# KiCad board Nanopipets.kicad_pcb (continued)
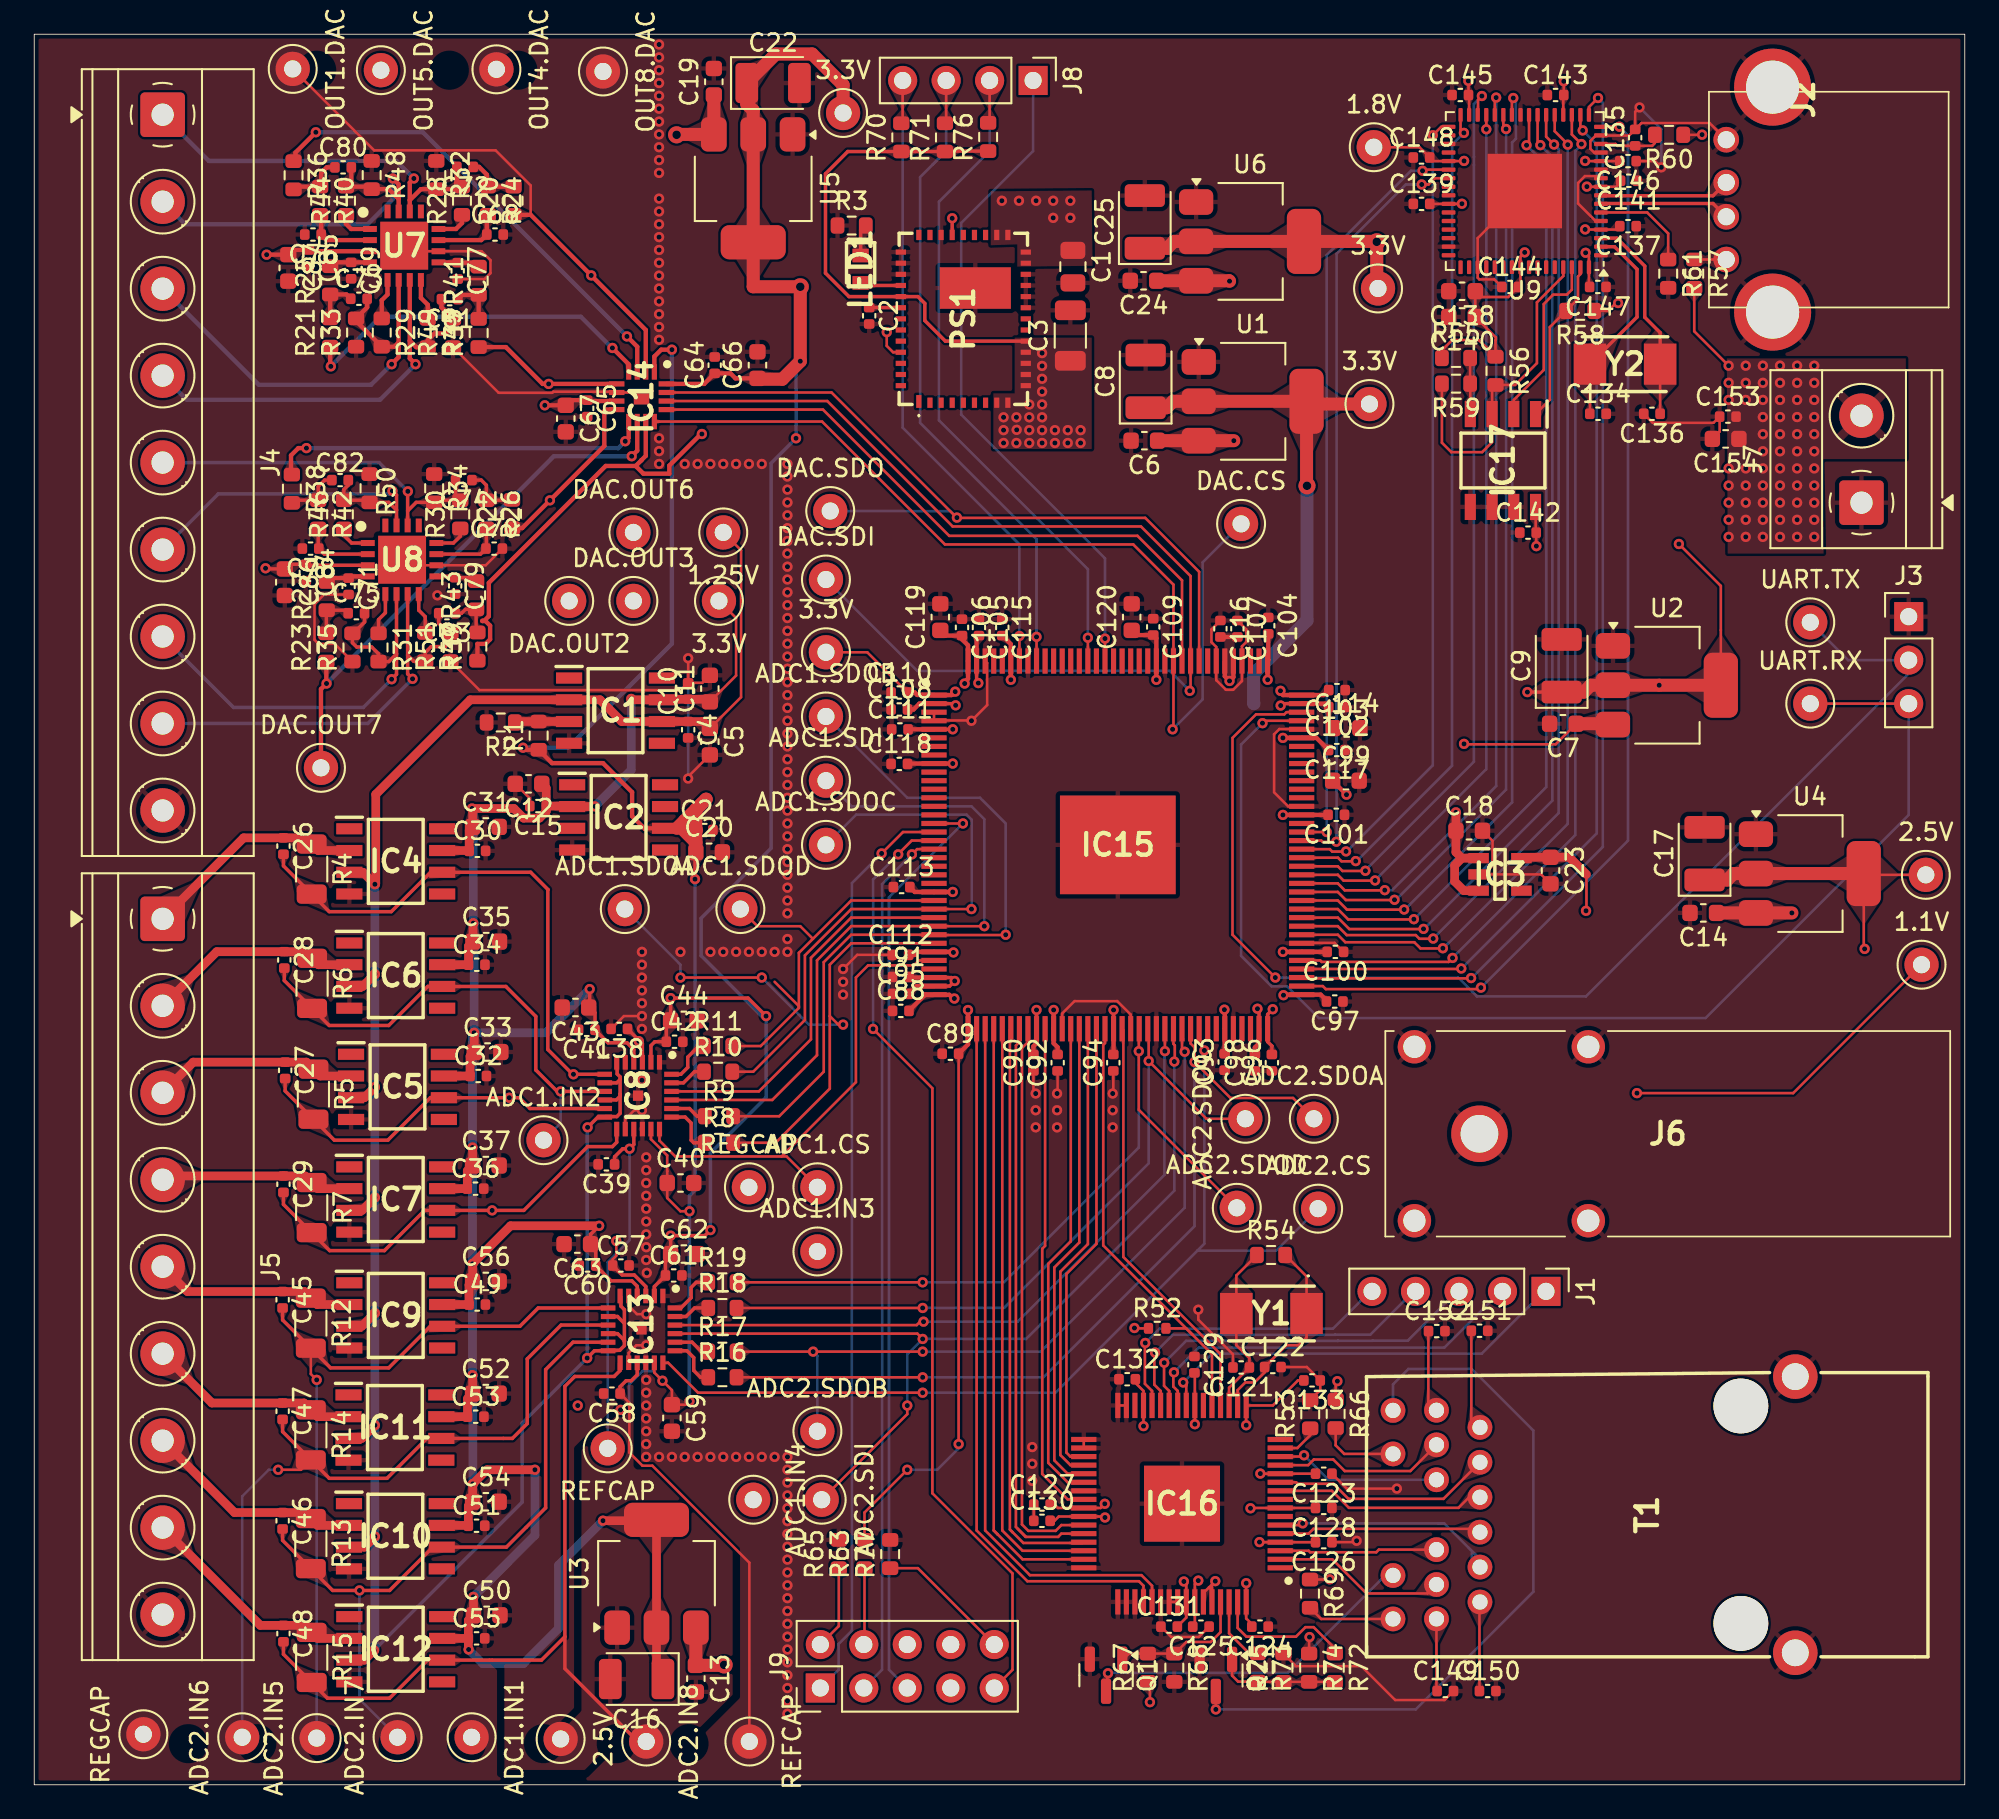
[diagram p0: board, top side]
## Routing (per net, layer and track width the routed paths; a pad name or vN(x,y) marks a point on that pad's centre or on a via; arc(x,y) is an arc through that point) (continued)
/Connectors/NSTATUS: length 40.9
  Top w0.152: IC15.136 v1(58.55,67.05) ; J8.3 53.27,97.12
  Bottom w0.152: v1(58.55,67.05) 58.55,72.75 51.75,79.55 51.75,93.9 52.46,94.61 ; 52.46,94.61 53.27,95.43 ; 52.46,94.61 53.27,95.42 J8.3
/Connectors/OUT1: length 22.7
  Top w0.254: C72.2 24.69,93.65 R28.2 ; U7.14 21.94,92.55 ; 21.94,92.55 21.94,93.59 v1(22.18,93.83) ; 21.94,92.55 22.58,93.2 R32.2 24.84,93.2
  Bottom w0.254: J4.1 10.2,94.85 21.15,94.85 v1(22.18,93.83)
/Connectors/OUT2: length 22.3
  Top w0.254: C80.2 18.52,93.66 R44.2 19.56,93.35 ; R48.2 20.71,93.2 21.29,92.62 ; 21.29,92.62 U7.15 ; 21.29,92.62 21.29,93.49 v1(20.95,93.83)
  Bottom w0.254: J4.2 8.82,91.15 19.48,91.15 20.95,92.62 v1(20.95,93.83)
/Connectors/OUT3: length 25.9
  Top w0.254: C73.2 19.45,86.3 R33.2 ; v1(20.88,82.98) 21.29,83.39 21.29,84.25 ; 18.8,85.5 R29.2 21.04,84 21.29,84.25 ; 21.29,84.25 U7.6
  Bottom w0.254: v1(20.88,82.98) 19.68,81.78 13.12,81.78 J4.3
/Connectors/OUT4: length 26.6
  Top w0.254: 21.94,84.35 21.94,83.31 v1(22.27,82.98) ; 21.94,84.35 22.31,83.98 22.99,83.98 22.99,84.38 23.39,84.78 24.04,84.78 24.46,85.2 R49.2 23.79,86.3 C81.2 ; 21.94,84.35 U7.7
  Bottom w0.254: v1(22.27,82.98) 20.2,80.9 8.91,80.9 J4.4
/Connectors/OUT5: length 21.1
  Top w0.203: C74.2 24.61,75.31 ; v1(21.82,75.55) 21.81,75.54 21.81,74.41 ; R30.2 23.49,75.03 ; U8.14 21.81,74.41 ; 21.81,74.41 22.31,74.91 R34.2
  Bottom w0.203: v1(21.82,75.55) 20.14,77.23 J4.5
/Connectors/OUT6: length 21.4
  Top w0.203: R50.2 20.71,74.91 21.16,74.46 ; 21.16,74.46 U8.15 ; 21.16,74.46 21.16,75.34 v1(20.93,75.58) ; C82.2 18.35,75.92 18.09,75.66 R46.2 19.46,75.03
  Bottom w0.203: J4.6 10.75,75.4 20.75,75.4 v1(20.93,75.58)
/Connectors/OUT7: length 26.4
  Top w0.203: 21.16,66.06 21.16,64.86 v1(20.88,64.58) ; 21.16,66.06 20.71,65.61 R31.2 20.11,66.06 19.71,66.46 18.84,66.46 18.59,66.71 R35.2 ; 21.16,66.06 U8.6 ; C75.2 19.3,67.92 18.64,67.26
  Bottom w0.203: v1(20.88,64.58) 19.23,62.93 11.64,62.93 J4.7
/Connectors/OUT8: length 26.1
  Top w0.203: R51.2 24.31,66.78 24.01,66.48 23.19,66.48 22.84,66.13 R47.2 22.16,65.63 21.81,65.98 ; v1(22.1,64.6) 21.81,64.89 21.81,65.98 ; 24.19,67.28 23.63,67.84 C83.2 ; 21.81,65.98 U8.7
  Bottom w0.203: v1(22.1,64.6) 19.49,61.99 J4.8
/Connectors/TD_M_A: length 9.2
  Top w0.152: IC16.3 74.44,13.67 74.53,13.58 78.4,13.58 78.55,13.73 81.92,13.73
/Connectors/TD_M_B: length 14.2
  Top w0.152: v1(74.1,15.27) 74,15.17 IC16.6
  Bottom w0.152: 83.77,13.86 84.45,13.18 82.36,15.27 82.03,15.27 ; 82.03,15.27 82.25,15.27 ; 82.03,15.27 v1(74.1,15.27) ; 83.98,13.54 83.98,13.16
/Connectors/TD_M_C: length 13
  Top w0.152: IC16.11 73.71,17.67 73.8,17.58 75.89,17.58 76.77,16.7 82.32,16.7 T1.2
/Connectors/TD_M_D: length 9.8
  Top w0.152: v1(74.18,19.24) 74.1,19.17 IC16.14
  Bottom w0.152: v1(74.18,19.24) 75.61,17.82 81.92,17.82
/Connectors/TD_P_A: length 10.2
  Top w0.152: 81.92,11.7 81.39,11.18 77.83,11.18 75.83,13.17 IC16.2
/Connectors/TD_P_B: length 11.6
  Top w0.152: IC16.5 74.44,14.67 74.73,14.95 84.26,14.95
/Connectors/TD_P_C: length 11.7
  Top w0.152: 83.82,16.8 83.2,16.18 76.8,16.18 75.81,17.17 IC16.10
/Connectors/TD_P_D: length 10.2
  Top w0.152: 81.92,19.86 80.38,18.32 76.56,18.32 75.88,19 74.75,19 74.42,18.67 IC16.13
/Connectors/UART.RX: length 74.1
  Top w0.15: v1(71.75,62.01) 71.89,62.15 IC15.105 ; UART.RX.1 J3.3
  Bottom w0.15: J3.3 109.5,56.65 97.63,44.78 75.04,44.78 73.19,46.63 72.29,46.63 70.5,48.42 70.5,60.76 v1(71.75,62.01)
/Connectors/UART.TX: length 72.4
  Top w0.15: IC15.106 73.15,62.65 73.02,62.52 71.37,62.52 70,61.15 70,49.65 v1(72.5,47.15)
  Bottom w0.15: UART.TX.1 105.96,65.69 J3.2 109.5,64.9 90.65,46.05 84.28,46.05 83.18,47.15 v1(72.5,47.15)
/DAC/DAC.CS: length 56.7
  Top w0.15: 36.52,79.62 IC14.12 ; IC15.120 66.55,61.7 v1(66.5,61.65)
  Top w0.152: IC15.120 66.55,70.1 64.2,72.45 53.2,72.45 46.02,79.62 IC14.12
  Bottom w0.15: v1(66.5,61.65) 68.25,63.4 68.25,71.4 DAC.CS.1
/DAC/DAC.SCLK: length 39
  Top w0.152: 36.92,80.33 46.08,80.33 53.45,72.95 64.45,72.95 67.05,70.35 IC15.119
/DAC/DAC.SDI: length 65.5
  Top w0.15: v1(67.5,63.9) 67.55,63.95 IC15.118
  Top w0.152: IC15.118 67.55,70.6 64.65,73.5 53.65,73.5 46.33,80.83 36.92,80.83
  Bottom w0.15: v1(67.5,63.9) 66.34,65.06 51.59,65.06 DAC.SDI.1
/DAC/DAC.SDO: length 48.2
  Top w0.152: IC15.117 68.05,70.85 64.9,74 53.9,74 46.58,81.33 36.92,81.33
  Bottom w0.15: DAC.SDO.1 53.52,74.4 v1(53.9,74.02)
/DAC/OUT1: length 31.5
  Top w0.15: 29,91.7 29,93.42 26.95,95.47 19.86,95.47 OUT1.DAC.1
  Top w0.254: 27.91,91.7 29,91.7 v1(32.54,88.16) 35.73,84.98 IC14.2
/DAC/OUT2: length 45
  Top w0.254: IC14.3 35.23,84 v1(34.62,84.6) ; v1(16.45,96.53) 15.26,95.33 15.26,94.84
  In2.Cu w0.15: DAC.OUT2.1 31.25,82.15 33.7,84.6 v1(34.62,84.6)
  Bottom w0.254: v1(34.62,84.6) 22.7,96.53 v1(16.45,96.53)
/DAC/OUT3: length 36.7
  Top w0.254: v1(17.32,82.85) 17.29,82.89 R21.1 ; IC14.4 34.73,82.98 v1(33.77,83.93)
  In2.Cu w0.15: DAC.OUT3.1 33.71,70.44 33.71,83.86 v1(33.77,83.93)
  Bottom w0.254: v1(17.32,82.85) 20.23,85.75 31.93,85.75 33.75,83.93 v1(33.77,83.93)
/DAC/OUT4: length 28.6
  Top w0.254: 34.02,81.83 v1(30.05,81.83) 29.7,81.83 27.55,83.98 25.96,83.98
  In2.Cu w0.15: OUT4.DAC.1 30.05,97.15 v1(30.05,81.83)
/DAC/OUT5: length 39.4
  Top w0.254: 34.02,80.33 33.4,80.33 33.3,80.23 33.3,78.2 v1(30.12,75.03) 28.51,73.41 R22.1
  In1.Cu w0.15: OUT5.DAC.1 20.25,89.42 30.12,79.55 v1(30.12,75.03)
/DAC/OUT6: length 28
  Top w0.254: 15,76.67 15,77.65 15.43,78.08 v1(15.9,78.08) ; v1(34.52,78.48) 34.73,78.68 IC14.9
  In2.Cu w0.15: DAC.OUT6.1 34,74.15 34,77.95 v1(34.52,78.48)
  Bottom w0.254: v1(34.52,78.48) 34.12,78.08 v1(15.9,78.08)
/DAC/OUT7: length 31.8
  Top w0.254: IC14.10 35.23,77.93 v1(34.9,77.6) ; R23.1 17.06,64.34 v1(17.07,64.33) 16.75,64 DAC.OUT7.1
  Bottom w0.254: v1(34.9,77.6) 30.35,77.6 v1(17.07,64.33)
/DAC/OUT8: length 48.7
  Top w0.254: 35.14,77.03 35.47,77.36 35.47,77.37 35.73,77.62 IC14.11 ; 35.14,77.03 33.38,77.03 26.56,70.21 26.56,68.26 26.29,67.99 26.18,67.99 26.18,67.97 26.36,67.97 26.63,67.71 26.63,66.91 26.36,66.64 25.89,66.64 R39.1 ; 35.14,77.03 35.59,76.58 37.1,76.58 37.1,77.05 38.95,78.9 v1(39,78.9)
  In2.Cu w0.15: v1(39,78.9) 39,80.95 33.23,86.73 OUT8.DAC.1
/Ethernet/Ethernet.GTX_CLK: length 29.1
  Top w0.152: IC15.46 59.05,31.48 58.88,31.31 58.88,18.16 60.37,16.67 IC16.40
/Ethernet/Ethernet.MDC: length 24.3
  Top w0.152: IC16.20 69.3,25.15 63.62,30.83 63.62,44.09
/Ethernet/Ethernet.MDIO: length 26.4
  Top w0.152: IC16.21 68.8,25.15 67.64,26.31 ; 67.64,26.31 62.45,31.5 62.45,43.22 62.55,43.33 IC15.53 ; 67.64,26.31 67.29,26.66 R52.2
/Ethernet/Ethernet.RX0: length 34.1
  Top w0.152: 57.9,14.5 57.35,15.06 57.35,43.18 57.55,43.38 IC15.43 ; 57.9,14.5 57.43,14.98 ; 57.9,14.5 57.93,14.48 59.81,14.48 60,14.67 IC16.44
/Ethernet/Ethernet.RX1: length 33.9
  Top w0.152: 57.15,14.75 56.99,14.91 56.99,44.11 ; 57.15,14.75 57.78,14.12 61.27,14.12 ; 57.15,14.75 57.05,14.85
/Ethernet/Ethernet.RX2: length 34.6
  Top w0.152: IC15.41 56.55,14.85 57.74,13.67 IC16.46
/Ethernet/Ethernet.RX3: length 35.6
  Top w0.152: IC15.40 56.05,14.85 ; 56.05,14.85 56.28,14.63 ; 56.05,14.85 56.28,14.63 ; 56.28,14.63 57.74,13.17 IC16.47
/Ethernet/Ethernet.RX_CLK: length 33
  Top w0.152: IC16.43 60,15.17 59.67,14.83 58.07,14.83 57.7,15.2 57.7,43.03 58.05,43.38 IC15.44
/Ethernet/Ethernet.RX_CTRL: length 41.3
  Top w0.152: IC16.53 65.3,11.62 64.68,12.24 58.16,12.24 55.55,14.85 IC15.39
/Ethernet/Ethernet.TX0: length 28.4
  Top w0.152: IC15.49 60.55,31.74 59.24,30.43 59.24,18.8 60.37,17.67 IC16.38
/Ethernet/Ethernet.TX1: length 27.9
  Top w0.152: IC16.37 60.37,18.17 59.59,18.95 59.59,30.21 61.05,31.67 IC15.50
/Ethernet/Ethernet.TX2: length 27.2
  Top w0.152: IC15.51 61.55,31.58 59.94,29.97 59.94,19.26 60.53,18.67 IC16.36
/Ethernet/Ethernet.TX3: length 26.6
  Top w0.152: IC16.35 60.53,19.17 60.3,19.4 60.3,29.84 62.05,31.59 IC15.52
/Ethernet/Ethernet.TX_CTRL: length 41.3
  Top w0.152: IC16.52 64.8,11.62 64.53,11.89 58.02,11.89 55.05,14.85 IC15.38
/FPGA/USB.CLKOUT: length 49.6
  Top w0.152: U9.32 83.32,96.68 v1(83.52,96.49) ; v1(77.2,53.95) 77.19,53.94 76.37,53.94 76.16,54.15 IC15.89
  Bottom w0.152: v1(83.52,96.49) 82.82,95.8 82.82,59.52 77.25,53.95 v1(77.2,53.95)
/FPGA/USB.D0: length 65.7
  Top w0.152: v1(92.6,96.85) 91.53,96.85 ; IC15.74 75.28,46.65 75.45,46.48 84.42,46.48 v1(84.51,46.56)
  Bottom w0.152: v1(84.51,46.56) 84.51,46.56 93.1,55.15 93.1,96.35 v1(92.6,96.85)
/FPGA/USB.D1: length 65.8
  Top w0.152: 74.09,47.1 83.92,47.1 v1(83.94,47.12) ; U9.17 90.82,98 v1(91.35,98.53)
  Bottom w0.152: v1(83.94,47.12) 83.97,47.12 91.63,54.78 91.63,98.24 v1(91.35,98.53)
/FPGA/USB.D2: length 62.9
  Top w0.152: IC15.76 83.33,47.65 v1(83.36,47.68) ; v1(90.46,96.63) 90.32,96.77 U9.18
  Bottom w0.152: v1(83.36,47.68) 83.38,47.68 91.28,55.58 91.28,95.81 v1(90.46,96.63)
/FPGA/USB.D3: length 61.5
  Top w0.152: v1(90.38,95.84) 89.82,96.4 U9.19 ; IC15.77 75.12,48.15 75.21,48.06 82.62,48.06 v1(82.85,48.3)
  Bottom w0.152: v1(82.85,48.3) 82.85,48.3 90.02,55.47 90.02,95.42 90.38,95.78 v1(90.38,95.84)
/FPGA/USB.D4: length 60.6
  Top w0.152: IC15.80 76.15,49.65 76.59,49.21 80.62,49.21 80.98,48.85 82.28,48.85 v1(82.29,48.86) ; U9.21 88.82,96.58 89.58,95.82 v1(89.58,95.8)
  Bottom w0.152: v1(89.58,95.8) 89.58,56.13 82.31,48.86 v1(82.29,48.86)
/FPGA/USB.D5: length 59.4
  Top w0.152: v1(81.72,49.43) 81.71,49.42 80.92,49.42 80.7,49.63 76.67,49.63 76.15,50.15 IC15.81 ; v1(88.78,95.81) 88.32,96.27 U9.22
  Bottom w0.152: v1(88.78,95.81) 89.05,95.54 89.05,56.76 81.72,49.43 v1(81.72,49.43)
/FPGA/USB.D6: length 58.4
  Top w0.152: IC15.82 76.15,50.65 76.82,49.98 81.15,49.98 v1(81.16,49.99) ; U9.23 87.82,95.93 v1(87.98,95.77)
  Bottom w0.152: v1(87.98,95.77) 88.68,95.07 88.68,57.48 81.19,49.99 v1(81.16,49.99)
/FPGA/USB.D7: length 57.5
  Top w0.152: U9.24 87.32,95.91 v1(87.17,95.77) ; v1(80.59,50.56) 80.58,50.55 76.76,50.55 76.15,51.15 IC15.83
  Bottom w0.152: v1(87.17,95.77) 88.33,94.61 88.33,58.28 80.61,50.56 v1(80.59,50.56)
/FPGA/USB.OE#: length 47.7
  Top w0.152: IC15.90 75.68,54.65 75.83,54.51 76.62,54.51 v1(76.63,54.52) ; U9.33 82.19,96.84 v1(81.7,96.35)
  Bottom w0.152: v1(81.7,96.35) 81.7,59.55 76.67,54.52 v1(76.63,54.52)
/FPGA/USB.RD#: length 55.3
  Top w0.152: U9.28 85.32,98.47 v1(85.4,98.55) ; IC15.86 76.15,52.65 76.56,52.24 78.88,52.24 v1(78.89,52.26)
  Bottom w0.152: v1(85.4,98.55) 85.4,98.55 85.4,58.34 79.32,52.26 v1(78.89,52.26)
/FPGA/USB.RXD: length 44.8
  Top w0.152: IC15.91 75.18,55.15 75.26,55.07 76.05,55.07 v1(76.07,55.08) ; v1(81.05,93.48) 81.45,93.48 81.82,93.84 U9.39
  Bottom w0.152: v1(81.05,93.48) 80.12,93.48 76.08,89.43 76.08,55.1 v1(76.07,55.08)
/FPGA/USB.RXF#: length 57.4
  Top w0.152: v1(86.4,98.53) 86.32,98.45 U9.26 ; v1(80.02,51.12) 80.02,51.12 76.69,51.12 76.15,51.65 IC15.84
  Bottom w0.152: v1(80.02,51.12) 80.07,51.12 86.33,57.38 86.33,95.93 86.56,96.15 86.56,98.37 v1(86.4,98.53)
/FPGA/USB.SWIUA: length 53.1
  Top w0.152: IC15.88 76.15,53.65 76.42,53.38 77.75,53.38 v1(77.76,53.39) ; v1(84.56,98.64) 84.34,98.42 84.34,97.56
  Bottom w0.152: v1(84.56,98.64) 84.1,98.18 84.1,95.09 84.1,95.09 84.1,94.61 84.1,94.61 84.1,59.76 77.76,53.43 v1(77.76,53.39)
/FPGA/USB.TXD: length 44.4
  Top w0.152: IC15.92 v1(75.5,55.65) ; U9.38 81.17,94.34 v1(81.1,94.28)
  Bottom w0.152: v1(81.1,94.28) 80.42,94.28 75.5,89.35 v1(75.5,55.65)
/FPGA/USB.TXE#: length 54.3
  Top w0.152: U9.27 85.82,96.87 v1(85.98,96.71) ; IC15.85 76.15,52.15 76.62,51.68 79.45,51.68 v1(79.46,51.69)
  Bottom w0.152: v1(79.46,51.69) 79.54,51.69 85.98,58.13 v1(85.98,96.71)
/FPGA/USB.WR#: length 51.8
  Top w0.152: IC15.87 76.15,53.15 76.49,52.81 78.32,52.81 v1(78.33,52.82) ; v1(84.83,96.7) 84.83,97.54
  Bottom w0.152: v1(78.33,52.82) 78.33,52.83 84.83,59.33 v1(84.83,96.7)
/USB/D+: length 7.8
  Top w0.2: 91.4,92.81 98.07,92.81 J2.3
/USB/D-: length 7.8
  Top w0.2: J2.2 98.07,92.36 91.4,92.36
/USB/OSCN: length 12.4
  Top w0.152: 94.98,79.88 Y2.2
  Top w0.2: U9.3 92.45,90.34 94.08,88.71 94.08,85.72 94.98,84.82 Y2.2
/USB/OSCP: length 12.4
  Top w0.152: 90.88,79.88 Y2.1
  Top w0.2: Y2.1 93.63,85.73 93.63,88.52 92.31,89.84 U9.2
Net-(C72-Pad1): length 3.2
  Top w0.254: C72.1 25.99,94.5 26.44,94.05 26.44,93.35 27.91,93.35
Net-(C73-Pad1): length 2.7
  Top w0.254: R21.2 R25.1 18.24,87.05 C73.1
Net-(C74-Pad1): length 3.3
  Top w0.203: C74.1 26.11,76.21 26.41,75.91 R26.1 27.89,75.03
Net-(C75-Pad1): length 2.4
  Top w0.203: R27.1 18.16,68.61 ; R23.2 17.06,68.58
Net-(C80-Pad1): length 3.1
  Top w0.254: 15.42,93.35 16.76,93.35 16.76,94.15 17.09,94.48 C80.1
Net-(C81-Pad1): length 2.7
  Top w0.254: C81.1 25,87.03 R41.1 R37.2
Net-(C82-Pad1): length 3.1
  Top w0.203: C82.1 16.96,76.21 16.59,75.83 R42.1 15.29,75.03
Net-(C83-Pad1): length 2.6
  Top w0.203: C83.1 24.96,68.43 25.19,68.66 R43.1 25.81,67.38
Net-(IC1-+): length 3.8
  Top w0.508: 28.13,62.11 R1.2 IC1.3 30.52,62.11
Net-(IC8-REFCAP): length 20.8
  Top w0.203: C39.1 33.9,36.68 34.38,37.15 v1(34.77,37.15) 35.02,37.4 IC8.15
  Bottom w0.15: v1(34.77,37.15) 34.77,31.81 33.5,30.53 REFCAP.1
Net-(IC8-REGCAP): length 13.6
  Top w0.203: 35.33,43.48 35.33,43.44 v1(35.32,43.43) ; 35.33,43.48 35.52,43.28 IC8.3 ; 35.33,43.48 C38.1
  In2.Cu w0.203: REGCAP#2.1 41.75,37 v1(35.32,43.43)
Net-(IC8-SDOA): length 3.2
  Top w0.203: R8.1 38.52,37.5 38.38,37.65 38.38,38.65 38.02,39 IC8.19
Net-(IC8-SDOB): length 2.1
  Top w0.203: R9.1 38.73,39.05 38.27,39.5 IC8.20
Net-(IC8-SDOC): length 2.2
  Top w0.203: R10.1 38.58,41.65 37.92,41 IC8.23
Net-(IC8-SDOD/~{ALERT}): length 2.6
  Top w0.203: 38.83,43.15 38.17,42.5 38.17,41.9 37.77,41.5 IC8.24
Net-(IC13-REFCAP): length 26.2
  Top w0.15: REFCAP#2.1 41.77,12.97 36.11,18.63 35.53,18.63 34.77,19.4 34.77,22.31 C58.1
  Top w0.203: C58.1 34.23,23.25 34.58,23.6 34.88,23.6 35.23,23.95 IC13.15
Net-(IC13-REGCAP): length 44.8
  Top w0.15: C57.1 33.79,30.69 34,30.9 v1(34,31.76)
  Top w0.203: C57.1 34.34,29.78 35.05,29.78 35.73,29.1 IC13.3
  In2.Cu w0.15: v1(34,31.76) 34,30.58 REGCAP.1
Net-(IC13-SDOA): length 3
  Top w0.203: 37.42,25.35 38.12,25.35 38.52,24.95 38.52,24.2 38.92,23.8 39.38,23.8
Net-(IC13-SDOB): length 2.2
  Top w0.203: R17.1 38.98,25.3 38.42,25.85 37.42,25.85
Net-(IC13-SDOC): length 2.2
  Top w0.203: 37.42,27.35 38.08,27.35 38.58,27.85 R18.1
Net-(IC13-SDOD/~{ALERT}): length 2.9
  Top w0.203: R19.1 38.67,29.35 38.38,29.05 38.38,28.45 37.77,27.85 37.42,27.85
Net-(IC16-JTAG_CLK): length 23.1
  Top w0.152: v1(66.58,24.09) 66.54,24.05 66.54,23.26 66.8,23 IC16.25
  Bottom w0.152: 85.66,28.82 82.38,25.54 68.03,25.54 v1(66.58,24.09)
Net-(IC16-JTAG_TDI): length 18.2
  Top w0.152: IC16.28 65.3,23 64.88,23.42 64.88,25.79 v1(64.9,25.81)
  Bottom w0.152: 78.04,28.82 75.86,26.64 65.73,26.64 v1(64.9,25.81)
Net-(IC16-JTAG_TDO): length 21.5
  Top w0.152: v1(66.01,24.65) 66,24.64 66,23.3 66.3,23 IC16.26
  Bottom w0.152: v1(66.01,24.65) 67.29,25.93 76.15,25.93 76.15,25.93 78.19,25.93 78.2,25.94 80.24,25.94 83.12,28.82
Net-(IC16-JTAG_TMS): length 19.8
  Top w0.152: v1(65.48,25.25) 65.43,25.2 65.43,23.37 65.8,23 IC16.27
  Bottom w0.152: v1(65.48,25.25) 66.51,26.28 76,26.28 76.01,26.29 78.05,26.29 80.58,28.82
Net-(IC16-JTAG_TRSTN): length 24.7
  Top w0.152: v1(67.12,23.5) 67.3,23.32 IC16.24
  Bottom w0.152: 88.2,28.82 84.56,25.18 68.8,25.18 v1(67.12,23.5)
Net-(IC16-RBIAS): length 2.5
  Top w0.152: R53.1 74.54,20.42 73.79,19.67 IC16.15
Net-(IC16-X_I): length 10.1
  Top w0.152: IC16.19 69.8,23.19 C121.1 70.98,24.91 70.22,25.68 Y1.2 70.22,29.74 R54.1
Net-(IC16-X_O): length 11.7
  Top w0.152: IC16.18 70.3,23.05 70.75,23.5 71.28,23.5 71.88,24.09 C122.1 73.15,25.68 73.87,25.68 74.32,26.12 Y1.1 74.32,29.69 R54.2
Net-(IC17-C): length 10.4
  Top w0.152: U9.62 89.82,87.33 89.53,87.04 88.73,87.04 88.18,86.49 88.18,82.64 86.43,80.89 IC17.2
Net-(IC17-D): length 19.1
  Top w0.152: R56.2 86.51,81.76 87.78,83.04 87.78,86.59 89.32,88.13 U9.61 ; R59.2 82.23,78.39 82.78,77.84 84.58,77.84 85.16,78.42 IC17.3 85.16,81.52
Net-(IC17-Q): length 3.1
  Top w0.152: R55.2 R59.1 ; 83.89,81.68 IC17.4
Net-(IC17-S): length 9.7
  Top w0.152: IC17.1 88.53,80.9 88.53,85.14 R58.2 90.18,86.79 90.18,88.1 90.32,88.24 U9.63
Net-(J2-VBUS): length 1.9
  Top w0.152: J2.1 R57.1
Net-(J9-Pin_2): length 4.9
  Top w0.152: R65.1 47,9.27 J9.2
Net-(J9-Pin_4): length 4.5
  Top w0.15: R63.1 48.5,8.23 J9.4
Net-(J9-Pin_10): length 7.9
  Top w0.152: R77.1 51.62,12.65 J9.10
Net-(LED1-A): length 2.2
  Top w0.203: PS1.35 48.42,87.58
Net-(LED1-K): length 1.9
  Top w0.203: 48.27,89.33 48.27,90.78 R3.2
Net-(PS1-SS): length 1.8
  Top w0.203: C2.1 50.61,86.29
Net-(Q1-C): length 20.3
  Top w0.152: v1(62.73,6.51) 62.69,6.48 62.69,5.48
  Bottom w0.152: 79.38,12.69 73.22,6.54 62.75,6.54 v1(62.73,6.51)
Net-(Q2-B): length 7.1
  Top w0.152: Q2.1 69.97,6.38 70.33,6.03 R73.2 ; R72.2 R74.2 R75.1 71.49,6.01
Net-(Q2-C): length 43
  Top w0.152: Q2.3 v1(69.03,4.4)
  Bottom w0.152: v1(69.03,4.4) 80.7,4.4 87.58,11.28 87.58,20.69 83.97,24.29 80.28,24.29 79.38,23.39 79.38,22.33
Net-(R66-Pad2): length 4.6
  Top w0.152: T1.14 76.53,19.33 76.03,19.83 R66.2
Net-(R69-Pad2): length 5.1
  Top w0.152: T1.16 75.18,9.69 R69.2
Net-(T1-CD1): length 4.2
  Top w0.152: 81.92,9.69 81.92,5.51
Net-(T1-CD2): length 5.2
  Top w0.152: C150.1 84.42,10.65
Net-(T1-CD3): length 5.2
  Top w0.152: C151.1 83.95,21.35 83.98,21.32
Net-(T1-CD4): length 4.2
  Top w0.152: 81.44,22.32 81.44,26.56
Net-(U7A-+): length 4.1
  Top w0.254: 26.44,91.7 C68.1 26.11,90.23 U7.11
Net-(U7A--): length 2
  Top w0.254: R28.1 24.99,91.23 24.64,90.88 U7.12
Net-(U7B-+): length 4.1
  Top w0.254: 16.76,91.7 C76.1 17.09,90.23 U7.2
Net-(U7B--): length 2
  Top w0.254: U7.1 18.51,90.88 18.21,91.18 R44.1
Net-(U7C-+): length 2.1
  Top w0.254: U7.4 C69.1 17.51,88.93
Net-(U7C--): length 2.4
  Top w0.254: U7.5 20.64,87.05 20.3,86.71 R29.1
Net-(U7D-+): length 2.1
  Top w0.254: U7.9 24.72,88.93 ; C77.1 25.73,88.91
Net-(U7D--): length 2.4
  Top w0.254: U7.8 22.59,86.85 22.99,86.45 R45.1
Net-(U8A-+): length 4.2
  Top w0.203: C70.1 26.06,71.88 U8.11 ; R26.2 26.41,72.23
Net-(U8A--): length 2
  Top w0.203: R30.1 24.89,72.93 24.49,72.53 U8.12
Net-(U8B-+): length 4.1
  Top w0.203: C78.1 16.95,71.88 U8.2 ; R42.2 16.59,72.24
Net-(U8B--): length 2
  Top w0.203: R46.1 18.09,72.98 18.54,72.53 U8.1
Net-(U8C-+): length 2.1
  Top w0.254: C71.1 17.31,70.48 ; U8.4 18.46,70.58
Net-(U8C--): length 2.5
  Top w0.203: U8.5 20.51,68.46 20.11,68.06 R31.1
Net-(U8D-+): length 2.1
  Top w0.203: C79.1 25.61,70.51 ; U8.9 24.51,70.58
Net-(U8D--): length 2.4
  Top w0.203: R47.1 22.84,68.23 22.46,68.61 U8.8
Net-(U9-REF): length 6
  Top w0.152: R61.1 95.45,90.61 94.22,91.84 U9.6
Net-(U9-~{RESET}): length 3.3
  Top w0.152: U9.14 92.37,95.84 92.48,95.73 C135.1 94.51,95.73 94.67,95.89

## Copper pours and planes (outline as drawn; the poured copper is in the pictures)
+1.8VD on In2.Cu: 55.75,40.83 85.47,40.92 85.52,69.73 95.61,69.73 95.21,3.47 55.83,3.45
+3.3V_USB on In2.Cu: 98.61,71.91 79.5,71.93 79.8,86.55 73.35,86.5 73.4,101.73 98.55,101.68 98.55,83.31 98.56,83.31
+3.3VA_ADC on In2.Cu: 44,63.63 44,77.15 36.5,77.15 36.5,80.95 28.01,80.95 28.1,63.6
+3.3VCCA on Bottom: 53.3,64.9 73.28,64.88 73.33,44.9 53.3,44.9
+3.3VD on Top: 61.77,84.53 61.77,78.03 56.02,78.03 56.02,81.28 57.27,81.28 57.27,84.53
+3.3VD on Top: 70.12,66.98 70.12,64.67 69.52,64.68 69.52,66.98
+3.3VD on In2.Cu: 61.75,84.53 48.3,84.53 48.23,40.81 85.47,40.92 85.52,69.73 61.8,69.5
+5V on Top: 57.42,88.68 61.82,88.73 61.77,93.12 55.87,93.08 55.87,89.93 57.37,89.98 57.42,89.98
+5V on Top: 109.38,77.43 104.43,77.43 104.53,71.91 98.93,71.91 98.88,83.31 109.33,83.31 109.36,77.44
+5V on In2.Cu: 0,102.25 112.75,102.25 112.75,-0.05 0,-0.05
GND on Top, Bottom, In1.Cu: 0,102.25 112.78,102.25 112.78,-0.05 0,-0.05

Small or netless copper shapes (teardrops, artwork), in the pictures only: 791 on Top, 23 on Bottom
